# Altium PCB B-水泵-LCP037BK32ET8-48V-PCB-V1.2-20230321.PcbDoc
Units mm, origin at the board's own origin, x right, y up, seen from the top; angles counter-clockwise.
Board outline 91 x 40 mm, 2 copper layers (Top Layer, Bottom Layer), stack 1.6 mm thick; 108 components, 61 nets, 257 pads, 257 vias.
Unrouted connection lines stored in the file: 8.
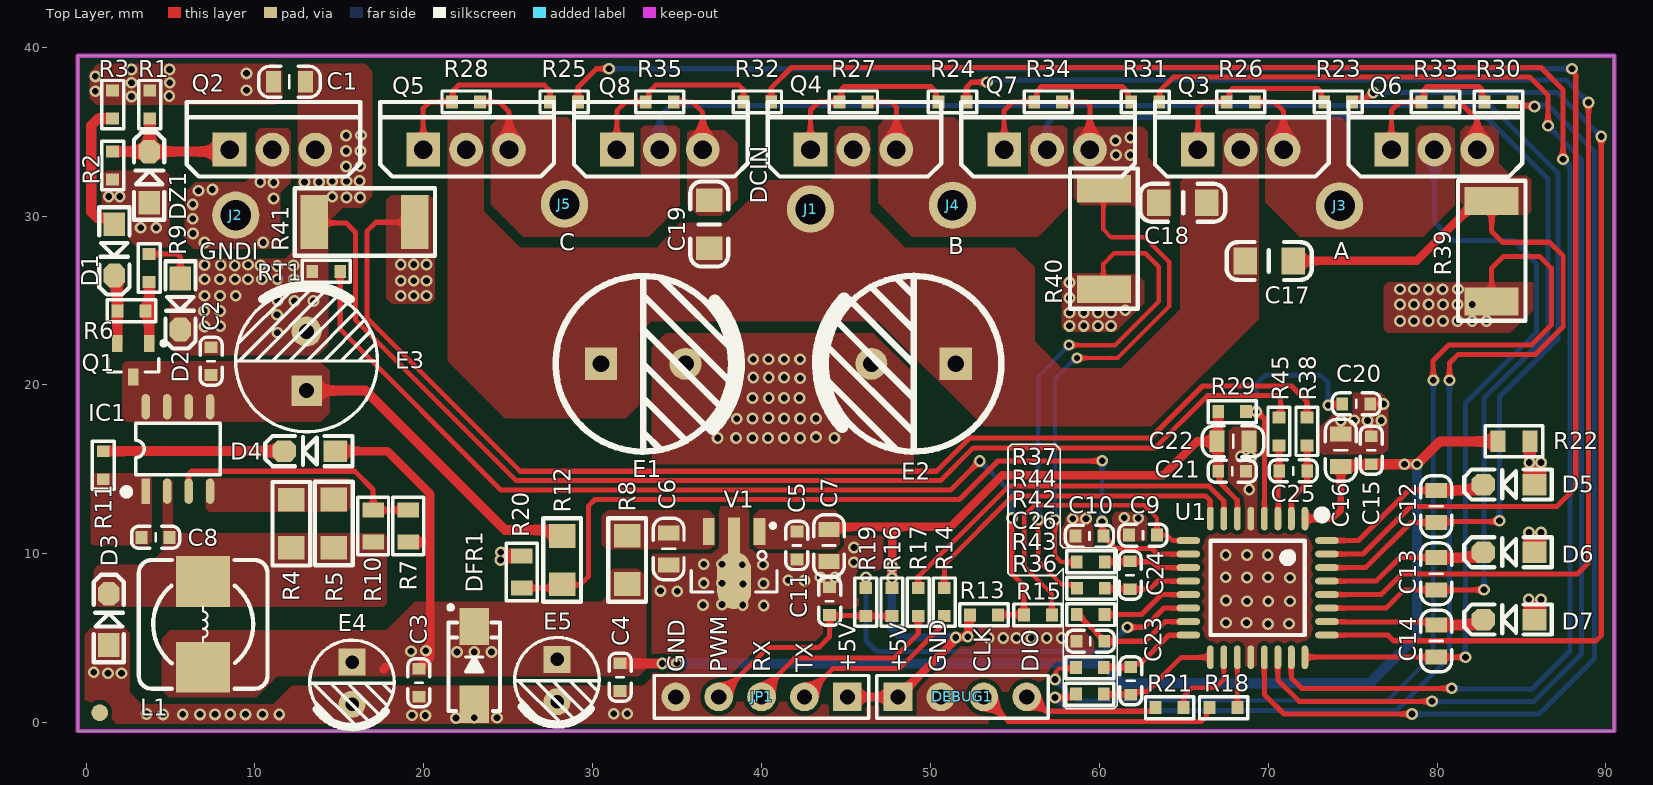
[diagram p0: Top Layer view]
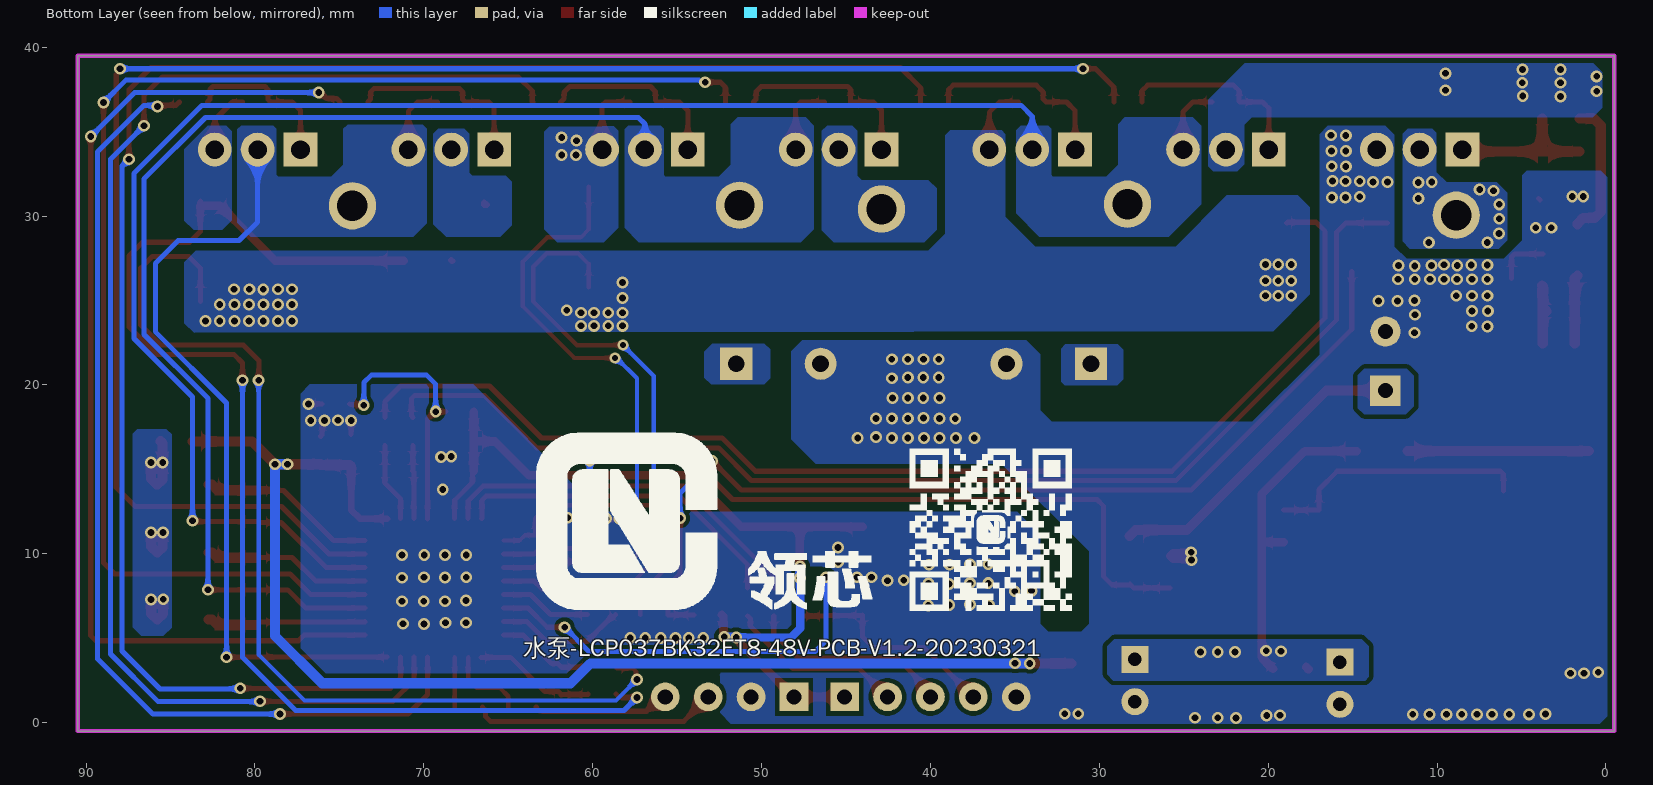
[diagram p1: Bottom Layer view, seen from below]

## Layer stack, top to bottom
Top Solder: solder mask 0.0102, Solder Resist, Dk 3.5
Top Layer: signal copper 0.0356
Dielectric1: core 1.529, FR-4, Dk 4.8
Bottom Layer: signal copper 0.0356
Bottom Solder: solder mask 0.0102, Solder Resist, Dk 3.5

## Board outline
-0.5,-0.5 -0.5,39.497 90.5,39.497 90.5,-0.5

## Design rules (kind name [scope] priority, off if disabled: settings)
Clearance Clearance_Layer [OnLayer('Keep-Out Layer')] p1: gap=0.3 ignorepadtopadclearanceinfootprint=FALSE
Clearance [All] p2: gap=0.254 ignorepadtopadclearanceinfootprint=FALSE
FabricationTestpoint [(IsPad And (OnTopLayer Or OnBottomLayer))] p1: side=3 testpointundercomponent=TRUE minsize=1.016 maxsize=2.54 preferedsize=1.524 minholesize=0 maxholesize=1.016 preferedholesize=0.813 testpointgrid=0.025 allowsidetop=TRUE allowsidebottom=TRUE usegrid=TRUE gridtolerance=0
PlaneConnect [All] p1: planeconnectstyle=Direct reliefexpansion=0.508 reliefentries=4 reliefconductorwidth=0.254 reliefairgap=0.254
PolygonConnect [All] p1: connectstyle=Direct reliefconductorwidth=0.254 reliefentries=4 polygonreliefangle="90 Angle" airgapwidth=0.254
RoutingVias [All] p1: holewidth=0.4 width=0.7 viastyle="Through Hole" minholewidth=0.35 minwidth=0.65 maxholewidth=0.711 maxwidth=1.27
SilkToSilkClearance [All] p1: silktosilkclearance=0.127
SilkToSolderMaskClearance SilkscreenOverComponentPads [IsPad] p1: minsilkscreentomaskgap=0.127 clearancetoexposedcopper=TRUE
SolderMaskExpansion [IsVia] p1: expansion=0.102 istentingtop=TRUE soldermaskfromhole=TRUE
Width [All] p1: maxlimit=5 minlimit=0.254 preferedwidth=0.3
26 further rules are at their usual default settings.

## Components (designator, comment, footprint, x,y, rotation, side; value= is the part's Value field where it differs from the comment)
C1 "105/100V" C0805 12.04,37.948 r0 top
C2 "104/100V" C0603 7.402,21.406 r90 top
C3 "104/50V" C0603 19.71,2.362 r270 top
C4 "104/50V" C0603 31.623,2.692 r270 top
C5 "104/50V" C0603 42.088,10.49 r270 top
C6 "106/50V" C0805 34.493,10.287 r270 top
C7 "106/50V" C0805 43.993,10.49 r270 top
C8 "105/50V" C0603 4.115,10.973 r180 top
C9 "104/50V" C0603 62.586,11.1 r180 top
C10 "104/50V" C0603 59.418,11.048 r180 top
C11 "101/50V" C0603 44.029,7.192 r90 top
C12 "106/50V" C0805 79.95,12.802 r270 top
C13 "106/50V" C0805 79.95,8.814 r270 top
C14 "106/50V" C0805 79.95,4.833 r270 top
C15 "104/50V" C0603 76.105,16.129 r90 top
C16 "106/50V" C0805 74.303,16.129 r90 top
C17 "104/100V1206" C1206 70.03,27.337 r0 top
C18 "104/100V1206" C1206 64.972,30.785 r180 top
C19 "104/100V1206" C1206 36.903,29.493 r90 top
C20 "104/50V" C0603 75.217,18.874 r0 top
C21 "104/50V" C0603 67.869,14.884 r0 top
C22 "106/50V" C0805 67.922,16.65 r0 top
C23 "101/50V" C0603 61.861,2.473 r90 top
C24 "101/50V" C0603 61.821,8.727 r270 top
C25 "101/50V" C0603 71.484,14.904 r180 top
C26 "105/50V" C0603 59.468,4.817 r180 top
D1 "1N4148" SOD-123 1.676,27.991 r270 top
D2 "1N4148" SOD-123 5.588,24.79 r270 top
D3 "ES1D" SOD-123 1.342,6.11 r90 top
D4 "1N4148" SOD-123 13.243,16.078 r180 top
D5 "1N4148" SOD-123 84.257,14.096 r180 top
D6 "1N4148" SOD-123 84.257,10.084 r180 top
D7 "1N4148" SOD-123 84.257,6.103 r180 top
DEBUG1 "PZ4-SHAOLU" PZ2.54-D-4P 51.89,1.524 r0 top
DFR1 "FR107" SMA 22.987,3.392 r90 top
DZ1 "BZT52C68" SOD-123 3.732,32.302 r90 top
E1 "220uF/100V" CE-5.0-10 33,21.25 r0 top locked
E2 "220uF/100V" CE-5.0-10 49,21.25 r180 top locked
E3 "47uF/100V" CE-3.5-8 13.056,21.412 r90 top
E4 "100uF/25V" CE-2.5-5 15.748,2.337 r270 top
E5 "220uF/25V" CE-2.5-5 27.889,2.489 r270 top
IC1 "KP35111SGA" SOP-8_150_50 5.436,16.205 r90 top
J1 "DCIN" HOLD-16AWG 42.899,30.41 r180 top
J2 "GNDI" HOLD-16AWG 8.865,30.049 r180 top
J3 "A" HOLD-16AWG 74.229,30.601 r180 top
J4 "B" HOLD-16AWG 51.308,30.636 r180 top
J5 "C" HOLD-16AWG 28.33,30.703 r180 top
JP1 "PZPM5" PZ2.54-D-5P 40,1.524 r180 top
L1 "82uH" L-CDRH74 6.934,5.817 r270 top
Q1 "5401" SOT23-3 2.794,21.46 r270 top
Q2 "SVG086R0NT" TO220 11.037,33.935 r0 top locked
Q3 "SVG086R0NT" TO220 68.374,33.935 r0 top locked
Q4 "SVG086R0NT" TO220 45.439,33.935 r0 top locked
Q5 "SVG086R0NT" TO220 22.504,33.935 r0 top locked
Q6 "SVG086R0NT" TO220 79.841,33.935 r0 top locked
Q7 "SVG086R0NT" TO220 56.906,33.935 r0 top locked
Q8 "SVG086R0NT" TO220 33.971,33.935 r0 top locked
R1 "10K" R0603 3.77,36.598 r270 top
R2 "51K" R0603 1.575,32.995 r270 top
R3 "10R" R0603 1.575,36.598 r270 top
R4 "0.8R/1206" R1206 12.156,11.8 r270 top
R5 "0.8R/1206" R1206 14.675,11.812 r270 top
R6 "10K" R0603 2.692,24.381 r0 top
R7 "36K/NC" R0805 19.084,11.633 r270 top
R8 "22R/1206" R1206 32.037,9.607 r90 top
R9 "5.1K" R0603 3.734,26.924 r270 top
R10 "5.1K/NC" R0805 16.993,11.653 r270 top
R11 "0R" R0603 1.016,15.24 r270 top
R12 "24K 1% 1206" R1206 28.194,9.602 r90 top
R13 "10K 1%" R0603 53.173,6.383 r180 top
R14 "1K" R0603 50.82,7.137 r90 top
R15 "10R 1%" R0603 56.363,6.375 r180 top
R16 "10K" R0603 47.722,7.137 r90 top
R17 "1K" R0603 49.279,7.137 r90 top
R18 "100R" R0603 67.361,0.889 r0 top
R19 "1K" R0603 46.172,7.137 r90 top
R20 "1K 1%" R0805 25.806,8.926 r270 top
R21 "100R" R0603 64.16,0.889 r0 top
R22 "5.1R" R0805 84.557,16.662 r0 top
R23 "51R" R0603 74.143,36.754 r180 top
R24 "51R" R0603 51.308,36.754 r180 top
R25 "51R" R0603 28.307,36.754 r180 top
R26 "100K" R0603 68.374,36.754 r180 top
R27 "100K" R0603 45.439,36.754 r180 top
R28 "100K" R0603 22.504,36.754 r180 top
R29 "10K" R0603 67.869,18.415 r180 top
R30 "51R" R0603 83.642,36.754 r180 top
R31 "51R" R0603 62.72,36.754 r180 top
R32 "51R" R0603 39.752,36.754 r180 top
R33 "100K" R0603 79.904,36.754 r180 top
R34 "100K" R0603 56.97,36.754 r180 top
R35 "100K" R0603 33.972,36.754 r180 top
R36 "68R 1%" R0603 59.44,1.686 r180 top
R37 "68R 1%" R0603 59.494,9.516 r180 top
R38 "68R 1%" R0603 72.298,17.247 r90 top
R39 "10mR/2512" R2512 83.236,27.889 r90 top
R40 "10mR/2512" R2512 60.269,28.616 r90 top
R41 "10mR/2512" R2512 16.459,29.642 r0 top
R42 "10K 1%" R0603 59.487,6.401 r0 top
R43 "68R 1%" R0603 59.44,3.255 r180 top
R44 "68R 1%" R0603 59.499,7.96 r180 top
R45 "68R 1%" R0603 70.638,17.247 r90 top
RT1 "100K/B=4250K" NTC-S-0603 14.223,26.721 r0 top
U1 "LCP037BK32E(X)T8" LNCP-LQFP32-7X7-0.8 69.374,7.977 r270 top
V1 "78L05" SOT89 38.372,9.868 r180 top
? "LOGO-TU" LOGO-TU 57.993,10.998 r180 bottom
? "LOGO-ZI" LOGO-ZI 47.132,8.651 r180 bottom
? "LOGO-MA" LOGO-MA 36.386,11.423 r180 bottom

## Footprints (in the part's own frame and the unit in brackets; to place one, negate y for a bottom-side part, rotate by r counter-clockwise, add the part's x,y. Pads: shape width x height; smd on the part's side, far side on the other; paste and mask are expansions set on the pad)
C0603 [mm] "0.5/2.1"
  rect 0.7x0.762 smd: 1(-0.827,0) 2(0.827,0)
  silkscreen extent -1.42,-0.65 1.42,0.65, body extent -0.8,-0.41 0.8,0.41, height 0.84
C0805 [mil] "贴片MLCC电容"
  rect 35x50 smd: 1(-37.4,0) 2(37.4,0)
  silkscreen extent -72,-36 72,36, body extent -39,-24 39,24, height 22
C1206 [mil] "贴片MLCC电容"
  rect 55x62 smd: 1(-55.12,0) 2(57.09,0)
  silkscreen extent -98,-44 100,44, body extent -63,-32 63,32, height 50
CE-2.5-5 [mm] "直插电解电容-脚距2.5mm直径5mm高度11mm"
  rect 1.6x1.6 hole 0.8: 1(-1.25,0)
  round 1.6 hole 0.8: 2(1.25,0)
  silkscreen extent -2.55,-2.5 2.6,2.5, body extent -2.5,-2.5 2.51,2.5, height 11.14
CE-3.5-8 [mm] "脚距3.5mm直径8mm高度11.5mm"
  rect 1.8x1.8 hole 0.9: 1(-1.75,0)
  round 1.8 hole 0.9: 2(1.75,0)
  silkscreen extent -4.2,-4.2 4.5,4.2, body extent -4,-4 4.01,4, height 11.64
CE-5.0-10 [mm] "脚距5mm直径10mm高度12.5mm"
  rect 1.9x1.9 hole 1: 1(-2.5,0)
  round 1.9 hole 1: 2(2.5,0)
  silkscreen extent -5.2,-5.21 5.64,5.2, body extent -5,-5 5.01,5, height 12.64
HOLD-16AWG [mm] "1.8mm"
  round 2.8 hole 1.8: 1(0,0)
L-CDRH74 [mm] "7.3*7.3*4.5mm贴片电感"
  rect 3x3.2 smd: 1(-2.54,0) 2(2.54,0)
  silkscreen extent -3.81,-3.81 3.81,3.81, body extent -3.65,-3.65 3.65,3.65, height 4.52
LNCP-LQFP32-7X7-0.8 [mm] "电机专用MCU-LCP037BK32X(E)T8"
  oval 1.4x0.4 smd: 1(-4.102,2.8) 2(-4.102,2) 3(-4.102,1.2) 4(-4.102,0.4) 5(-4.102,-0.4) 6(-4.102,-1.2) 7(-4.102,-2) 8(-4.102,-2.8) 17(4.102,-2.8) 18(4.102,-2) 19(4.102,-1.2) 20(4.102,-0.4) 21(4.102,0.4) 22(4.102,1.2) 23(4.102,2) 24(4.102,2.8)
  oval 0.4x1.4 smd: 9(-2.806,-4.102) 10(-2.006,-4.102) 11(-1.206,-4.102) 12(-0.406,-4.102) 13(0.394,-4.102) 14(1.194,-4.102) 15(1.994,-4.102) 16(2.794,-4.102) 25(2.794,4.102) 26(1.994,4.102) 27(1.194,4.102) 28(0.394,4.102) 29(-0.406,4.102) 30(-1.206,4.102) 31(-2.006,4.102) 32(-2.806,4.102)
  silkscreen extent -4.57,-2.79 2.79,4.06, body extent -4.51,-4.5 4.5,4.5, height 1.45
LOGO-MA [mm]
  silkscreen extent -4.83,-4.8 4.74,4.76
LOGO-TU [mm]
  silkscreen extent -5.36,-4.32 5.36,6.15
LOGO-ZI [mm]
  silkscreen extent -3.67,-1.95 3.67,1.48
NTC-S-0603 [mm] "0.5/2.1"
  rect 0.7x0.762 smd: 1(-0.827,0) 2(0.827,0)
  silkscreen extent -1.43,-0.65 1.43,0.65, body extent -0.8,-0.4 0.8,0.4, height 0.4
PZ2.54-D-4P [mm] "排针/直插/0.9MM孔"
  rect 1.7x1.7 hole 0.9: 1(-3.81,0)
  round 1.7 hole 0.9: 2(-1.27,0) 3(1.27,0) 4(3.81,0)
  silkscreen extent -5.08,-1.27 5.08,1.27, body extent -5.08,-1.27 5.08,1.27, height 2.54
PZ2.54-D-5P [mm] "排针/直插/0.9MM孔"
  rect 1.7x1.7 hole 0.9: 1(-5.08,0)
  round 1.7 hole 0.9: 2(-2.54,0) 3(0,0) 4(2.54,0) 5(5.08,0)
  silkscreen extent -6.35,-1.27 6.35,1.27, body extent -6.35,-1.27 6.35,1.27, height 2.54
R0603 [mm] "0.5/2.1"
  rect 0.7x0.762 smd: 1(-0.827,0) 2(0.827,0)
  silkscreen extent -1.43,-0.65 1.43,0.65, body extent -0.8,-0.4 0.8,0.4, height 0.4
R0805 [mil] "1/8W贴片电阻"
  rect 35x50 smd: 1(-37.4,0) 2(37.4,0)
  silkscreen extent -67,-36 67,36, body extent -39,-25 39,25, height 20
R1206 [mil] "1/4W贴片电阻"
  rect 55x62 smd: 1(-55.12,0) 2(57.09,0)
  silkscreen extent -96,-44 98,44, body extent -63,-31 63,32, height 22
R2512 [mm] "1W贴片电阻"
  rect 1.65x3.2 smd: 1(-2.95,0) 2(3,0)
  silkscreen extent -4.1,-2 4.2,2, body extent -3.2,-1.6 3.2,1.6, height 0.55
SMA [mm] "4.5x2.6*2.2mm"
  rect 2.2x1.75 smd: 1(-2.3,0) 2(2.3,0)
  silkscreen extent -2.7,-1.52 3.56,1.52, body extent -2.55,-1.3 2.55,1.3, height 2.15
SOD-123 [mil] "2.7x1.6X1.1mm"
  rect 55x50 smd: 1(-59.5,0)
  oct 55x50 smd: 2(59.5,0)
  silkscreen extent -100,-35 104,35, body extent -73,-32 73,31, height 50
SOP-8_150_50 [mm] "无焊盘"
  rect 1.5x0.5 smd: 1(-2.5,1.905)
  oval 1.5x0.5 smd: 2(-2.5,0.635) 3(-2.5,-0.635) 4(-2.5,-1.905) 5(2.5,-1.905) 6(2.5,-0.635) 7(2.5,0.635) 8(2.5,1.905)
  silkscreen extent -2.69,-2.5 1.52,3.2, body extent -3,-2.5 3,2.5
SOT23-3 [mm]
  rect 1x0.6 smd: 1(-1,0.95) 2(-1,-0.95) 3(1,0)
  silkscreen extent -1.12,-1.5 0.7,1.93, body extent -1.2,-1.5 1.2,1.5, height 1.05
SOT89 [mm] "4.6x4.3x1.6mm(长宽高)"
  rect 0.7x1.6 smd: 1(-1.5,-1.448) 3(1.5,-1.448)
  oval 2x3.4 smd: 2(0,1.448)
  rect 0.7x2.4 smd: 2(0,-1.071)
  silkscreen extent -2.54,-1.92 2.54,2.13, body extent -2.27,-1.77 2.33,2.53, height 1.6
TO220 [mm]
  rect 2x2 hole 1.1: 1(-2.54,0)
  round 2 hole 1.1: 2(0,0) 3(2.54,0)
  silkscreen extent -5.08,-1.6 5.21,2.82, body extent -5.15,-1.53 5.15,2.9, height 18.5

## Part data
C1 C6 C7 C12 C13 C14 C16 C22: library part A_CAP_8, "0805", BOM名称=无极性贴片电容
C2 C3 C4 C5 C8 C9 C10 C11 C15 C20 C21 C23 C24 C25 C26: library part A_CAP_6, "0603", BOM名称=无极性贴片电容
C17 C18 C19: library part A_CAP_12, "1206/1808", BOM名称=无极性贴片电容
D1 D2 D3 D4 D5 D6 D7: library part DIO, "二极管/高效率/通用"
DEBUG1: "烧录口", BOM名称=4P连接器
DFR1: library part DIO_FR(E)D, "快/超快恢复二极管", BOM名称=快恢复二极管
DZ1: library part DIO_ZENER, "稳压管"
E1 E2 E3 E4 E5: library part A_CAP_CE_DIP, "直插电解电容"
IC1: library part IC_DY_KP35111, "功率电子开关/BUCK_DC-DC"
J1 J2 J3 J4 J5: library part CON_DIP, "直插孔"
JP1: "排针排母", BOM名称=5P连接器
L1: library part INDUCTOR, "贴片电感", BOM名称=小功率贴片电感
Q1: library part D_BJT_N, "PNP三极管", Parameter 1=9015, Parameter 2=5401, Parameter 3=S8550
Q2 Q3 Q4 Q5 Q6 Q7 Q8: library part D_MOS_N-2D/, "N沟道", BOM名称=N沟道场效应管
R1 R2 R3 R6 R9 R11 R13 R14 R15 R16 R17 R18 R19 R21 R23 R24 R25 R26 R27 R28 R29 R30 R31 R32 R33 R34 R35 R36 R37 R38 R42 R43 R44 R45: library part A_RES_6, "0603", BOM名称=贴片电阻
R4 R5 R8 R12: library part A_RES_12, "1206", BOM名称=贴片电阻
R7 R10 R20 R22: library part A_RES_8, "0805", BOM名称=贴片电阻
R39 R40 R41: library part A_RES_25, "2512", BOM名称=贴片电阻
RT1: library part A_RES_NTC_SMD, "热敏电阻"
U1: library part MCU_电机_32位_037_B1, "037合封BK32E(X)T8", PCB DECAL=LQFP-32
V1: library part LDO_2D/, "BUCK_DC-DC", BOM名称=线性稳压芯片

## Free pads (board coordinates)
  round 1 smd: 0(0.804,0.59)

## Via types
v1: diameter 0.7, hole 0.4, Top Layer to Bottom Layer, tented both sides, 255 vias
v2: diameter 0.65, hole 0.35, Top Layer to Bottom Layer, tented both sides, 2 vias

## Nets (pads, with @x,y where several pads share a name; then routed paths per layer and width w, separated by ;. In a path a pad name is that pad's centre, name@x,y a point inside that pad or via, vN(x,y) a via of type N, cw(c..) or ccw(c..) an arc to the next point about the centre after c; other vN are vias at no path point)
+5V: C5.1 C7.1 C21.1 C22.1 DEBUG1.1 JP1.1 R13.2 R16.2 R29.2 U1.6 V1.1 | length 53.6
  Top Layer w0.3: C21.1@67.099,14.889 67.118,14.869 67.118,14.229 68.174,13.174 U1.6
  Top Layer w0.5: C7.1@43.993,11.593 47.727,11.593 ; JP1.1@45.314,1.758 JP1.1 DEBUG1.1 51.459,4.903 51.459,5.003 v1(51.498,5.042) 51.515,5.058 52.185,5.058 52.253,5.126 52.253,6.29 R13.2 ; v1(47.722,8.564) 47.724,8.567 47.724,9.243 v1(47.727,9.246) 47.727,11.593 ; C22.1 65.786,16.65 63.792,14.656 54.256,14.656 51.193,11.593 47.727,11.593 ; C21.1 R29.2
  Bottom Layer w0.5: v1(47.727,9.246) 47.724,9.243 47.724,8.567 v1(47.722,8.564) 47.722,5.576 48.256,5.042 v1(51.498,5.042) 51.521,5.065 52.192,5.065 v1(52.215,5.088)
+12V: C3.1 C4.1 C15.1 C16.1 D4.1 DFR1.2 E4.1 E5.1 L1.2 R7.2 R8.1 R22.1 U1.1 | length 94.4
  Top Layer w0.4: U1.1 73.788,12.079 74.303,12.593 C16.1
  Top Layer w0.5: D4.1 17.835,16.078 20.391,13.523 20.391,10.733 ; 17.602,3.164 17.633,3.164 17.733,3.264 17.733,3.295 17.752,3.314 ; R7.2 20.341,10.683 20.391,10.733 ; C3.1 19.741,3.189 19.841,3.289 19.841,3.32 20.391,3.869 20.391,10.733
  Top Layer w0.6: C4.1@31.658,3.504 v1@34.981,3.504 ; C16.1 74.376,15.252 76.104,15.252 C15.1@76.106,15.254 ; C15.1 v1(78.065,15.302) v1(78.817,15.302) 80.165,16.65 R22.1@83.697,16.65
  Bottom Layer w0.6: v1(34.114,3.504) 34.119,3.509 34.981,3.509 v1(34.986,3.514) 34.995,3.504 60.14,3.504 61.31,2.334 76.019,2.334 78.817,5.132 v1(78.817,15.302) v1(78.065,15.302)
  other v1: 21.971,4.186 22.987,4.186 24.003,4.186 19.24,4.232 20.12,4.26
AH: R23.1 U1.25 | length 62.1
  Top Layer w0.3: U1.25 77.085,5.183 77.42,4.848 89.423,4.848 89.723,5.148 v1(89.723,34.702) ; R23.1 74.97,36.76 75.17,36.96 75.77,36.96 76.117,37.308 v1(76.225,37.308)
  Bottom Layer w0.3: v1(76.225,37.308) 87.117,37.308 v1(89.723,34.702)
AL: R30.1 U1.21 | length 59.7
  Top Layer w0.3: U1.21 69.774,1.671 70.937,0.508 v1(78.519,0.508) ; R30.1 84.669,36.554 R30.1@84.669,36.559 ; R30.1@84.669,36.559 85.693,36.559 v1(85.769,36.483)
  Bottom Layer w0.3: v1(78.519,0.508) 86.045,0.508 89.319,3.782 89.319,33.803 86.568,36.554 85.841,36.554 v1(85.769,36.483)
BH: R24.1 U1.28 | length 82
  Top Layer w0.3: R24.1 52.135,37.621 52.436,37.922 v1(53.34,37.922) ; U1.28 76.696,7.583 77.927,8.814 88.317,8.814 88.969,9.466 v1(88.968,36.721)
  Bottom Layer w0.3: v1(53.34,37.922) 53.417,37.999 53.652,37.999 53.716,38.062 87.625,38.062 v1@88.966,36.721
BL: R31.1 U1.22 | length 79.4
  Top Layer w0.3: R31.1 63.578,36.785 63.578,37.409 64.403,38.235 85.481,38.235 86.568,37.148 v1(86.568,35.348) ; U1.22 70.574,2.524 71.836,1.262 v1(79.695,1.262)
  Bottom Layer w0.3: v1(79.695,1.262) 79.715,1.242 85.729,1.242 88.552,4.066 88.552,33.364 v1(86.568,35.348)
CH: R25.1 U1.31 | length 101.4
  Top Layer w0.3: R25.1 29.134,37.632 30.222,38.72 v1(30.966,38.72) ; U1.31 75.608,9.983 78.427,12.802 87.094,12.802 88.214,13.921 88.214,38.391 87.994,38.612 v1(87.994,38.72)
  Bottom Layer w0.3: v1@30.984,38.702 31.003,38.72 v1(87.994,38.72)
CL: R32.1 U1.23 | length 101.1
  Top Layer w0.3: R32.1 40.579,37.599 41.769,38.789 86.151,38.789 87.457,37.484 v1(87.457,33.364) ; U1.23 71.374,2.644 71.986,2.032 v1(80.874,2.032)
  Bottom Layer w0.3: v1(80.874,2.032) 80.909,1.996 85.626,1.996 87.871,4.242 87.871,32.949 v1(87.457,33.364)
DC12V: C6.1 R8.2 V1.3
DCIN: C1.1 C17.1 C18.1 C19.1 E1.1 E2.1 J1.1 Q3.2 Q4.2 Q5.2 R1.1 R3.1 | length 2.1
  Top Layer w0.381: J1.1@43.658,29.704 43.658,30.467 43.658,30.216 J1.1@43.658,30.682 ; J1.1@43.899,30.523 J1.1@43.899,30.739 ; C18.1@66.286,30.657 66.422,30.793 C18.1@66.422,30.657 ; C17.1@68.324,27.337 C17.1@68.374,27.387
  other v1: 2.692,37.075 4.928,37.109 0.551,37.389 9.497,37.448 2.692,37.889 4.955,37.889 0.551,38.27 9.497,38.448 2.693,38.679 4.936,38.679
GND: C1.2 C2.2 C3.2 C4.2 C5.2 C6.2 C7.2 C9.2 C10.2 C11.2 C15.2 C16.2 C20.2 C21.2 C22.2 C26.2 D2.2 D3.1 DEBUG1.2 DFR1.1 DZ1.1 E1.2 E2.2 E3.2 E4.2 E5.2 JP1.5 Q2.3 R2.2 R20.1 R41.1 R45.2 RT1.1 U1.5 U1.20 V1.2 | length 76.3
  Top Layer w0.3: DZ1.1@3.899,30.962 DZ1.1@3.982,31.044 ; R41.1@12.949,29.589 15.406,29.589 15.944,29.052 15.944,23.85 25.468,14.326 50.592,14.326 52.538,16.271 63.32,16.271 66.409,19.36 70.559,19.36 70.738,19.181 70.738,18.173 R45.2
  Top Layer w0.305: 58.795,12.003 59.141,12.003 v1(59.216,12.079) ; C16.2 v1(74.303,17.889) ; v1(75.877,17.889) 75.877,17.782 76.021,17.638 76.021,17.041 C15.2 ; C20.2 v1(76.836,18.874)
  Top Layer w0.5: v1(24.562,10.084) 24.6,10.046 25.636,10.046 R20.1 25.62,9.689 v1@24.6,9.689
  other v1: 21.907,0.277 22.987,0.287 24.337,0.287 20.091,0.415 19.301,0.439 4.551,0.491 5.725,0.491 6.752,0.491 7.63,0.491 8.534,0.491 9.437,0.491 10.44,0.491 11.441,0.491 3.585,0.51 31.252,0.521 32.041,0.521 1.294,2.92 2.103,2.92 0.453,2.983 53.449,5.004 54.313,5.004 55.099,5.016 55.966,5.016 56.888,5.016 57.778,5.004 69.995,5.842 71.23,5.853 67.509,5.911 68.721,5.911 40.132,6.937 36.533,6.965 38.887,6.96 37.65,6.99 68.748,7.183 70.001,7.183 71.287,7.183 67.509,7.226 35.009,7.778 34.018,7.803 38.896,8.21 40.116,8.236 36.577,8.26 37.65,8.26 42.545,8.407 41.578,8.435 68.748,8.592 71.287,8.583 43.485,8.611 44.348,8.611 67.49,8.61 69.995,8.61 38.862,9.347 40.081,9.354 36.577,9.378 37.65,9.378 45.466,9.5 24.536,9.627 71.287,9.924 67.49,9.929 68.748,9.929 69.974,9.929 45.476,10.37 58.425,12.069 62.301,12.108 61.48,12.129 68.884,13.801 68.974,15.736 68.374,15.763 37.398,16.852 38.495,16.852 39.465,16.852 40.379,16.852 41.337,16.852 42.285,16.852 44.31,16.852 43.218,16.905 76.696,17.889 75.082,17.907 38.529,17.99 41.337,18.002 42.285,18.002 43.218,18.002 39.465,18.01 40.404,18.034 39.465,19.218 40.426,19.218 41.337,19.218 42.254,19.218 42.285,20.388 39.505,20.436 40.426,20.436 41.337,20.436 39.505,21.519 40.411,21.519 41.337,21.519 42.285,21.519 11.328,23.089 7.021,23.452 7.951,23.473 11.303,24.155 6.992,24.381 7.936,24.381 12.344,24.968 13.462,24.968 11.328,24.994 7.021,25.274 7.936,25.274 8.865,25.274 7.021,26.25 7.936,26.25 8.813,26.25 9.586,26.25 10.416,26.25 11.316,26.25 12.314,26.25 8.807,27.069 10.33,27.069 11.316,27.047 12.276,27.069 7.021,27.102 7.97,27.102 9.586,27.114 3.232,29.303 4.151,29.303 15.42,31.096 16.229,31.093 14.577,31.135 1.341,31.148 1.994,31.148 12.941,32.013 13.786,32.008 14.577,32.058 15.42,32.058 16.187,32.075 15.4,32.935 16.231,32.944 15.4,33.852 16.244,33.852 15.4,34.774 16.275,34.786
GNDI: J2.1 Q2.2
  other v1: 7.021,28.434 10.485,28.434 6.332,28.964 6.321,29.841 6.321,30.691 11.107,31.044 6.65,31.5 7.479,31.568 11.107,31.986 10.315,32.008
IA: C17.2 Q6.3 R33.1 R36.2 R39.2 | length 79.4
  Top Layer w0.3: v1(57.381,1.486) 58.413,1.486 R36.2 ; R33.1 81.332,36.754 82.365,35.721 82.365,33.951 Q6.3 ; v1(80.735,20.269) 80.735,21.293 81.251,21.809 85.823,21.809 87.457,23.442 87.457,27.643 86.652,28.447 83.873,28.447 83.236,29.085 83.236,30.619 R39.2
  Top Layer w0.5: C17.2@71.174,27.337 78.79,27.337 82.071,30.619 R39.2@83.236,30.619
  Bottom Layer w0.3: v1(57.381,1.486) 58.151,0.717 77.586,0.717 80.735,3.866 v1(80.735,20.269)
IB: C18.2 Q7.3 R34.1 R37.2 R40.2 | length 34.7
  Top Layer w0.254: v1(57.381,12.018) 57.381,9.883 57.748,9.516 R37.2 ; v2(58.674,21.59) 61.085,21.59 64.134,24.639 64.134,27.291 62.69,28.735 60.7,28.735 60.239,29.195 R40.2@60.239,31.735
  Top Layer w0.3: R34.1 59.23,36.754 59.446,36.537 Q7.3
  Bottom Layer w0.254: v1(57.381,12.018) 57.381,20.388 58.583,21.59 v2(58.674,21.59)
  other v1: 60.984,33.608 61.839,33.608 60.96,34.464 61.839,34.642
IN: C2.1 E3.1 IC1.5 IC1.6 IC1.7 IC1.8 Q1.3 R12.2 | length 17.9
  Top Layer w0.6: E3.1@13.868,19.662 16.549,19.662 24.807,11.405 27.841,11.405 R12.2
ISENCE: C19.2 Q8.3 R35.1 R38.2 R39.1 R40.1 R41.2 R43.2 R44.2 | length 165.4
  Top Layer w0.254: v1(56.383,12.018) 56.383,9.562 57.762,8.183 58.449,8.183 R44.2 ; v1(57.381,2.557) 57.434,2.61 57.434,3.03 57.61,3.207 58.565,3.207 R43.2 ; v2(58.204,22.363) 58.215,22.352 60.93,22.352 63.52,24.943 63.52,26.997 62.723,27.794 60.867,27.794 60.239,27.167 R40.1@60.239,25.785
  Top Layer w0.3: R41.2@18.898,29.589 18.859,29.629 17.162,29.629 16.626,29.093 16.626,23.97 25.712,14.884 50.365,14.884 52.333,16.852 63.034,16.852 66.11,19.929 71.385,19.929 72.298,19.016 R38.2 ; R35.1 35.899,36.754 36.511,36.141 Q8.3 ; v1(79.781,20.269) 79.769,20.281 79.769,21.44 80.692,22.363 85.584,22.363 86.766,23.544 86.766,26.908 86.074,27.6 83.915,27.6 83.236,26.92 R39.1
  Bottom Layer w0.254: v1(56.383,12.018) 56.383,20.524 58.204,22.346 v2(58.204,22.363) ; v1(57.381,2.557) 58.624,1.315 77.069,1.315 79.781,4.027 v1(79.781,20.269)
  other v1: 58.239,23.495 59.074,23.495 59.92,23.495 60.7,23.495 77.8,23.789 78.628,23.789 79.502,23.789 80.353,23.789 81.214,23.789 82.087,23.789 82.927,23.789 58.239,24.275 59.074,24.275 59.92,24.275 60.7,24.275 61.54,24.415 77.8,24.759 78.628,24.759 79.502,24.759 80.353,24.759 82.087,24.759 81.214,24.766 58.239,25.146 18.634,25.274 19.406,25.274 20.162,25.274 77.8,25.666 78.628,25.666 79.504,25.656 80.331,25.666 81.236,25.666 58.239,26.069 18.634,26.162 19.406,26.162 20.162,26.162 18.634,27.136 19.406,27.136 20.162,27.136
MOSTEMP: C9.1 R15.1 U1.9 | length 18
  Top Layer w0.254: R15.1 57.19,7.617 55.556,9.25 55.556,12.267 56.167,12.877 62.643,12.877 63.413,12.108 C9.1 64.008,11.1 64.325,10.783 U1.9
MOTOR_A: C14.2 J3.1 Q3.3 Q6.2 R26.1 U1.24 | length 50.1
  Top Layer w0.3: R26.1 70.359,36.754 70.914,36.199 Q3.3 ; U1.24 72.182,3.883 C14.2 79.954,3.879 81.675,3.879 v1(81.679,3.875)
  Bottom Layer w0.3: Q6.2 79.841,31.801 79.841,29.647 80.938,28.55 84.543,28.55 85.899,27.193 85.899,23.151 81.679,18.931 v1(81.679,3.875)
MOTOR_B: C13.2 J4.1 Q4.3 Q7.2 R27.1 U1.27 | length 73.9
  Top Layer w0.3: R27.1 47.685,36.754 47.979,36.46 Q4.3 ; J4.1@51.308,30.924 J4.1 J4.1@51.846,31.174 ; U1.27 76.984,6.783 78.065,7.864 C13.2 v1(82.786,7.864)
  Bottom Layer w0.3: Q7.2 56.906,35.45 57.297,35.84 82.931,35.84 86.568,32.203 86.568,22.985 82.786,19.203 v1(82.786,7.864)
MOTOR_C: C12.2 J5.1 Q5.3 Q8.2 R28.1 U1.30 | length 95.3
  Top Layer w0.3: R28.1 24.46,36.754 25.044,36.17 Q5.3 ; J5.1 J5.1@28.761,31.135 ; U1.30 75.785,9.183 78.454,11.852 79.769,11.852 79.819,11.901 83.647,11.901 v1(83.697,11.951)
  Bottom Layer w0.3: Q8.2 33.971,35.896 34.63,36.554 83.135,36.554 87.16,32.529 87.16,22.745 83.697,19.283 v1(83.697,11.951)
NetC8_1: C8.1 D3.2 IC1.2 L1.1 R4.2 R5.2 R10.2
NetC8_2: C8.2 IC1.1 R11.2
NetC11_1: C11.1 JP1.4 R16.1 R19.1 | length 13
  Top Layer w0.3: JP1.4 40.372,4.436 43.382,4.436 44.029,5.084 C11.1 44.056,6.338 46.145,6.338 R19.1 R16.1
NetC12_1: C12.1 D5.2 U1.32 | length 10.6
  Top Layer w0.3: U1.32 75.344,10.783 78.313,13.752 C12.1
  Top Layer w0.6: C12.1 82.196,13.752 82.541,14.096 D5.2
NetC13_1: C13.1 D6.2 U1.29 | length 10
  Top Layer w0.3: U1.29 76.4,8.383 77.8,9.783 79.931,9.783 C13.1
  Top Layer w0.6: C13.1 82.221,9.764 82.541,10.084 D6.2
NetC14_1: C14.1 D7.2 U1.26 | length 9.5
  Top Layer w0.3: U1.26 73.495,5.964 79.769,5.964 C14.1
  Top Layer w0.6: C14.1 82.221,5.783 82.541,6.103 D7.2
NetC26_1: C26.1 R42.1 U1.15 | length 7.8
  Top Layer w0.3: R42.1 58.66,6.37 58.86,6.17 58.974,6.17 60.095,5.048 60.295,4.848 C26.1 62.736,4.817 63.901,5.983 U1.15
NetD1_1: D1.1 R3.2 | length 8.3
  Top Layer w0.6: R3.2 0.718,35.771 0.308,35.361 0.308,30.243 0.659,29.891 1.341,29.891 1.676,29.556 D1.1
NetD1_2: D1.2 Q1.2 R6.1 | length 4.1
  Top Layer w0.6: D1.2 1.844,26.312 Q1.2
NetD2_1: D2.1 R9.1 | length 3.2
  Top Layer w0.3: R9.1 5.412,27.751 5.588,27.575 D2.1
NetD4_2: D4.2 R11.1 | length 10.7
  Top Layer w0.6: R11.1@1.016,16.078 D4.2
NetD5_1: D5.1 D6.1 D7.1 R22.2 | length 9.6
  Top Layer w0.6: v1(85.427,7.305) 85.446,7.286 85.446,6.426 D7.1 85.803,6.103 86.138,6.438 86.138,7.271 v1(86.157,7.29) ; v1(85.446,11.251) 85.465,11.232 85.465,10.388 D6.1 85.803,10.084 86.138,10.419 86.138,11.233 v1(86.157,11.252) ; R22.2@85.583,16.662 85.465,16.544 v1(85.465,15.398) 85.484,15.379 85.484,14.381 D5.1 85.816,14.096 86.151,14.431 v1@86.151,15.371
  other v1: 86.151,15.398
NetDEBUG1_3: DEBUG1.3 R18.1 | length 14.5
  Top Layer w0.3: DEBUG1.3 54.605,0.079 66.063,0.079 66.336,0.353 66.336,0.717 R18.1@66.534,0.914
NetDEBUG1_4: DEBUG1.4 R21.1 | length 8.1
  Top Layer w0.3: DEBUG1.4 55.966,1.524 56.816,0.674 62.968,0.674 62.978,0.683 63.144,0.683 63.344,0.883 R21.1@63.344,0.914
NetDZ1_2: DZ1.2 Q2.1 R1.2 R2.1 | length 8.9
  Top Layer w0.6: R2.1@1.575,33.814 DZ1.2 8.376,33.814 Q2.1 ; DZ1.2@3.77,33.852 R1.2
NetIC1_3: IC1.3 R7.1 R10.1 | length 15.7
  Top Layer w0.3: IC1.3 6.071,14.709 6.246,14.884 15.909,14.884 16.993,13.801 R10.1 ; R10.1@17.012,12.583 R7.1
NetIC1_4: IC1.4 R4.1 R5.1
NetJP1_2: JP1.2 R14.1 | length 10.5
  Top Layer w0.3: JP1.2 44.212,3.196 48.151,3.196 50.659,5.704 50.659,6.149 R14.1
NetJP1_3: JP1.3 R17.1 | length 12.1
  Top Layer w0.3: JP1.3 40,1.855 41.959,3.815 47.827,3.815 49.279,5.267 R17.1
NetQ1_1: Q1.1 R6.2 R9.2 | length 3.6
  Top Layer w0.6: R6.2@3.519,24.35 R6.2 3.569,24.431 R6.2@3.569,24.462 ; Q1.1 3.744,25.854 R9.2@3.784,25.894
NetQ3_1: Q3.1 R23.2 R26.2 | length 11.3
  Top Layer w0.3: Q3.1 65.834,36.431 66.157,36.754 R26.2 67.705,36.912 67.705,37.363 67.881,37.539 72.957,37.539 73.145,37.351 73.145,36.924 R23.2
NetQ4_1: Q4.1 R24.2 R27.2 | length 11.5
  Top Layer w0.3: Q4.1 42.899,36.275 43.379,36.754 R27.2 ; R27.2@44.727,36.754 44.727,37.493 44.903,37.668 50.02,37.668 50.324,37.364 50.324,36.911 R24.2
NetQ5_1: Q5.1 R25.2 R28.2 | length 11.7
  Top Layer w0.3: Q5.1 19.964,36.38 20.338,36.754 R28.2 21.718,36.796 21.718,37.409 22.058,37.749 27.135,37.749 27.474,37.409 27.474,36.759 R25.2
NetQ6_1: Q6.1 R30.2 R33.2 | length 9.5
  Top Layer w0.3: Q6.1 77.301,36.255 77.8,36.754 R33.2 79.236,36.912 79.236,37.493 79.411,37.668 82.482,37.668 82.657,37.493 82.657,36.912 R30.2
NetQ7_1: Q7.1 R31.2 R34.2 | length 11.4
  Top Layer w0.3: Q7.1 54.366,36.248 54.872,36.754 R34.2 ; R34.2@56.121,36.701 56.289,36.869 56.289,37.376 56.581,37.668 61.351,37.668 61.695,37.324 61.695,36.951 R31.2
NetQ8_1: Q8.1 R32.2 R35.2 | length 11.5
  Top Layer w0.3: Q8.1 31.431,36.237 31.948,36.754 R35.2 33.322,36.932 33.322,37.344 33.727,37.749 38.651,37.749 38.925,37.475 R32.2
NetR13_1: R13.1 R15.2 RT1.2 | length 57.7
  Top Layer w0.3: RT1.2 15.05,23.29 24.573,13.767 51.193,13.767 v1(52.919,15.494) ; R13.1 55.528,6.383 R15.2@55.528,6.414 ; v1(54.825,12.108) 54.825,8.812 55.536,8.102 R15.2
  Bottom Layer w0.3: v1(52.919,15.494) 54.825,13.588 v1(54.825,12.108)
NetR42_2: R42.2 U1.13 | length 5.4
  Top Layer w0.3: R42.2 62.496,6.401 63.678,7.583 U1.13
NRST: C20.1 R29.1 U1.4 | length 15.7
  Top Layer w0.3: R29.1 v1(69.296,18.415) 69.36,18.415 69.774,18.001 U1.4 U1.4@69.774,12.069 ; v1(73.553,18.796) 73.592,18.835 74.351,18.835 C20.1
  Bottom Layer w0.3: v1(69.296,18.415) 69.296,20.045 69.829,20.578 73.109,20.578 73.553,20.135 v1(73.553,18.796)
OPA0N: C23.2 R43.1 U1.16 | length 5.8
  Top Layer w0.3: R43.1 60.289,3.278 61.839,3.278 C23.2 62.054,3.492 62.437,3.492 64.127,5.183 U1.16
OPA0P: C23.1 R36.1 U1.17 | length 7.3
  Top Layer w0.3: R36.1 60.287,1.666 61.841,1.666 C23.1 ; C23.1@61.861,1.673 62.034,1.846 62.836,1.846 64.856,3.866 U1.17@66.62,3.866
OPA1N: C25.2 R45.1 U1.3 | length 4.4
  Top Layer w0.3: U1.3 70.593,12.098 70.593,14.84 C25.2 70.648,14.914 70.648,16.41 R45.1
OPA1P: C25.1 R38.1 U1.2 | length 4.7
  Top Layer w0.3: U1.2 71.374,13.247 72.311,14.184 C25.1 72.305,14.911 72.305,16.413 R38.1
OPA2N: C24.2 R44.1 U1.12 | length 5.2
  Top Layer w0.3: R44.1 60.356,7.93 61.791,7.93 C24.2 62.988,7.9 63.471,8.383 U1.12
OPA2P: C24.1 R37.1 U1.11 | length 5.1
  Top Layer w0.3: R37.1 60.339,9.535 61.802,9.535 C24.1 ; C24.1@61.822,9.527 63.119,9.527 63.465,9.181 65.27,9.181 U1.11
PWM: R19.2 U1.14 | length 24.8
  Top Layer w0.3: R19.2 46.178,7.97 46.178,8.607 v1(46.184,8.613) ; v1(61.661,5.647) 62.689,5.647 63.826,6.783 U1.14
  Bottom Layer w0.3: v1(46.184,8.613) 46.184,4.855 46.826,4.213 60.228,4.213 v1(61.661,5.647)
SWCLK: R18.2 U1.19 | length 2.9
  Top Layer w0.254: R18.2@68.174,0.928 U1.19
SWDIO: R21.2 U1.18 | length 4.8
  Top Layer w0.254: R21.2@64.998,0.914 64.998,1.564 65.49,2.057 66.873,2.057 67.374,2.557 U1.18
UART1_RX: R17.2 U1.7 | length 22.4
  Top Layer w0.3: R17.2 49.279,8.643 54.638,14.002 66.499,14.002 67.374,13.127 U1.7
UART1_TX: R14.2 U1.8 | length 20
  Top Layer w0.3: R14.2 50.82,9.353 54.881,13.413 66.304,13.413 66.557,13.16 66.557,12.095 U1.8
VDECT: C10.1 R12.1 R20.2 U1.10 | length 49.9
  Top Layer w0.3: R20.2 27.968,7.976 R12.1 28.237,8.159 29.256,8.159 29.76,8.664 29.76,12.838 30.135,13.212 51.724,13.212 54.006,15.494 60.163,15.494 v1(60.179,15.51) ; v1(60.154,11.901) 60.199,11.856 C10.1@60.199,11.063 ; C10.1 60.245,11.017 60.445,10.817 60.476,10.817 60.978,10.315 63.114,10.315 63.446,9.983 U1.10
  Bottom Layer w0.3: v1(60.154,11.901) 60.166,11.914 60.166,15.497 v1(60.179,15.51)

## Polygon pours and split planes (outlines as drawn)
GND on Top Layer "NONET_L-01_P-001" (solid, remove dead copper, pour order 92): 12.531,38.611 12.892,39.004 16.529,39.004 16.959,38.574 16.959,31.161 16.299,30.501 15.194,30.501 14.334,29.642 14.334,22.339 13.757,21.762 5.437,21.762 4.942,22.257 4.942,26.22 0.925,30.237 0.925,32.413 1.187,32.675 4.688,32.675 4.942,32.421 4.942,28.221 5.698,27.465 11.806,27.465 12.531,28.19
GND on Top Layer "NONET_L-01_P-001" (solid, remove dead copper, pour order 91): 33.008,2.178 33.491,2.661 33.491,9.537 33.491,18.525 33.491,22.23 34.328,23.066 46.616,23.066 49,20.683 49,15.321 50.319,14.002 63.621,14.002 67.142,17.523 69.574,17.523 70.074,17.024 72.571,17.024 75.071,19.524 76.685,19.524 77.114,19.095 77.114,15.875 72.776,11.537 72.776,5.234 70.717,3.175 68.574,3.175 68.174,2.775 68.174,0.003 67.671,-0.5 0.804,-0.5 -0.279,0.583 -0.279,5.258 0.051,5.588 2.306,5.588 2.58,5.313 2.58,1.79 3.281,1.09 11.078,1.09 12.166,2.178
+12V on Top Layer "NONET_L-01_P-001" (solid, remove dead copper, pour order 89): 17.762,5.467 18.268,5.972 19.463,7.168 29.243,7.168 30.513,7.168 30.919,7.575 30.919,8.845 31.199,9.124 32.697,9.124 33.167,8.654 33.167,3.189 32.729,2.751 11.309,2.751 10.068,1.51 4.922,1.51 4.47,1.961 4.47,4.975 4.963,5.467 11.316,5.467
+5V on Top Layer "NONET_L-01_P-001" (solid, remove dead copper, pour order 58): 44.628,10.566 44.628,12.294 44.329,12.592 39.853,12.592 39.522,12.262 39.522,10.547 39.795,10.275 44.337,10.275
DC12V on Top Layer "NONET_L-01_P-001" (solid, remove dead copper, pour order 60): 37.222,10.517 37.222,12.231 36.875,12.578 30.881,12.578 30.551,12.248 30.551,10.534 30.823,10.262 36.967,10.262
NetIC1_4 on Top Layer "NONET_L-01_P-001" (solid, remove dead copper, pour order 93): 15.429,12.501 15.793,12.865 15.793,14.194 15.514,14.472 7.254,14.472 7.091,14.309 7.091,12.702 7.292,12.501
GNDI on Top Layer "Top Layer-No Net" (solid, remove dead copper, pour order 86): 10.285,35.183 10.037,34.935 10.037,32.606 9.417,31.986 6.459,31.986 5.841,31.368 5.841,28.568 6.339,28.07 11.056,28.07 11.501,28.515 11.501,31.365 12.123,31.987 12.124,34.995 11.935,35.183
MOTOR_A on Top Layer "Top Layer-No Net" (solid, remove dead copper, pour order 72): 78.908,35.348 78.727,35.167 78.727,32.434 78.628,32.335 75.472,32.335 74.761,33.046 74.761,35.435 74.356,35.84 70.33,35.84 69.838,35.348 69.838,30.809 71.86,28.787 79.189,28.786 81.039,30.636 81.039,35.132 80.823,35.348
MOTOR_B on Top Layer "Top Layer-No Net" (solid, remove dead copper, pour order 70): 55.973,35.348 55.793,35.167 55.793,32.434 55.693,32.335 52.538,32.335 51.826,33.046 51.826,35.435 51.422,35.84 47.396,35.84 46.904,35.348 46.904,30.78 48.897,28.787 56.383,28.786 58.105,30.508 58.105,35.132 57.888,35.348
MOTOR_C on Top Layer "Top Layer-No Net" (solid, remove dead copper, pour order 67): 33.038,35.348 32.858,35.167 32.858,32.434 32.758,32.335 29.603,32.335 28.891,33.046 28.891,35.435 28.487,35.84 24.461,35.84 23.969,35.348 23.969,30.703 25.885,28.787 33.32,28.786 35.17,30.636 35.17,35.132 34.954,35.348
NetC8_2 on Top Layer "NONET_L-01_P-001" (solid, remove dead copper, pour order 90): 0.523,10.515 3.683,10.515 3.886,10.719 3.886,14.461 3.585,14.762 0.397,14.762 0.264,14.63 0.264,10.661 0.414,10.512
NetC8_1 on Top Layer "Top Layer-No Net" (solid, remove dead copper, pour order 87): 4.976,14.455 4.697,14.455 4.526,14.284 4.526,10.177 3.695,9.346 0.735,9.346 0.453,9.064 0.453,7.082 0.678,6.857 17.606,6.857 17.805,7.056 17.805,11.049 17.654,11.2 5.725,11.2 5.126,11.8 5.126,14.305
IN on Top Layer "Top Layer-No Net" (solid, remove dead copper, pour order 88): 5.028,21.412 2.362,21.412 2.153,21.203 2.153,18.04 2.371,17.822 3.752,17.822 9.127,17.822 13.888,17.822 14.427,18.36 14.427,20.831 13.845,21.412
DCIN on Top Layer "Top Layer-No Net" (solid, remove dead copper, pour order 85): 11.189,39.004 11.61,38.583 11.608,38.58 11.608,37.033 11.172,36.598 8.34,36.598 0.601,36.598 0.22,36.979 0.22,38.518 0.706,39.004
ISENCE on Top Layer "Top Layer-No Net" (solid, remove dead copper, pour order 84): 35.607,34.905 35.607,30.639 36.24,30.006 37.6,30.006 38.591,30.997 38.591,34.321 37.833,35.079 35.782,35.079
IB on Top Layer "Top Layer-No Net" (solid, remove dead copper, pour order 83): 58.496,31.054 58.91,30.639 61.969,30.639 62.936,29.672 63.937,29.672 64.272,30.006 64.271,32.069 62.874,33.466 62.874,34.989 62.566,35.297 58.74,35.297 58.496,35.053
ISENCE on Top Layer "Top Layer-No Net" (solid, remove dead copper, pour order 82): 60.239,26.55 60.179,26.61 58.281,26.61 57.785,26.115 57.785,23.417 58.069,23.134 60.96,23.134 62.668,24.842 62.668,26.121 62.239,26.55
ISENCE on Top Layer "Top Layer-No Net" (solid, remove dead copper, pour order 80): 18.059,31.242 17.768,30.951 17.768,25.131 18.089,24.81 20.391,24.81 20.659,25.079 20.659,30.917 20.335,31.242
IA on Top Layer "Top Layer-No Net" (solid, remove dead copper, pour order 78): 83.329,35.348 83.656,35.021 83.656,33.121 84.383,32.394 85.324,32.394 85.584,32.134 85.584,30.266 85.382,30.064 82.149,30.064 81.381,30.832 81.381,35.021 81.708,35.348
ISENCE on Top Layer "Top Layer-No Net" (solid, remove dead copper, pour order 76): 81.708,26.069 77.072,26.069 76.83,25.827 76.83,23.303 77.05,23.083 84.337,23.083 85.687,24.432 85.687,26.069
DCIN on Top Layer "Top Layer-No Net" (solid, remove dead copper, pour order 74): 55.005,28.125 56.167,26.963 56.167,22.57 56.816,21.945 57.778,20.983 61.304,20.983 64.788,24.467 64.788,32.031 65.142,32.385 67.119,32.385 67.31,32.576 67.31,34.871 67.606,35.167 69.14,35.167 69.433,34.874 69.433,23.891 63.083,17.542 53.163,17.542 46.924,23.781 33.459,23.781 32.744,23.066 32.744,18.83 31.948,18.034 24.783,18.034 21.411,21.406 21.412,35.594 21.658,35.84 23.343,35.84 23.554,35.629 23.554,30.293 25.722,28.125 33.799,28.125 35.17,29.589 37.897,29.589 40.439,32.131 44.069,32.131 44.323,32.385 44.323,35.052 44.587,35.316 46.146,35.316 46.425,35.037 46.425,30.216 48.517,28.125
GND on Bottom Layer "NONET_L-01_P-001" (solid, remove dead copper, pour order 81): 33.491,5.865 33.491,11.128 34.858,12.494 40.281,12.494 53.13,12.494 53.139,12.486 59.535,12.486 67.077,20.028 76.756,20.028 77.301,19.483 77.301,4.264 75.99,2.953 75.971,2.921 52.577,2.921 52.45,2.794 52.45,0.575 51.375,-0.5 0.804,-0.5 -0.279,0.583 -0.279,32.087 0.308,32.675 4.688,32.675 4.942,32.421 4.942,28.563 6.04,27.465 11.806,27.465 12.531,28.19 12.531,34.81 13.056,35.335 16.473,35.335 16.959,34.848 16.959,21.795 20.932,17.822 32.823,17.822 33.491,18.49 33.491,21.821 34.319,22.648 47.602,22.648 48.256,21.994 48.256,16.785 46.792,15.321 35.792,15.321 30.607,10.136 30.607,5.842 31.057,5.392 33.019,5.392
+12V on Bottom Layer "Top Layer-No Net" (solid, remove dead copper, pour order 57): 14.033,2.716 14.26,2.489 29.174,2.489 29.54,2.855 29.54,4.521 29.12,4.941 14.451,4.941 14.033,4.523
IN on Bottom Layer "Top Layer-No Net" (solid, remove dead copper, pour order 75): 11.785,20.955 11.366,20.537 11.366,18.73 11.848,18.249 14.316,18.249 14.695,18.629 14.695,20.562 14.302,20.955
IA on Bottom Layer "Top Layer-No Net" (solid, remove dead copper, pour order 69): 81.708,35.348 81.381,35.021 81.381,29.742 81.936,29.187 83.636,29.187 84.172,29.723 84.172,33.962 82.787,35.348
ISENCE on Bottom Layer "Top Layer-No Net" (solid, remove dead copper, pour order 63): 83.606,23.082 84.172,23.648 84.172,27.26 83.493,27.94 79.865,27.94 40.132,27.94 39.118,28.954 39.118,34.774 38.813,35.079 35.782,35.079 35.556,34.854 35.556,29.951 33.799,28.194 25.485,28.194 22.44,31.239 18.236,31.239 17.527,30.53 17.527,25.363 19.706,23.184
NetD5_1 on Bottom Layer "Top Layer-No Net" (solid, remove dead copper, pour order 73): 86.045,17.385 86.97,17.385 87.249,17.106 87.249,5.653 86.739,5.143 85.427,5.143 84.939,5.631 84.939,17.065 85.256,17.383
MOTOR_B on Bottom Layer "Top Layer-No Net" (solid, remove dead copper, pour order 62): 55.973,35.348 55.793,35.167 55.793,32.434 55.693,32.335 52.538,32.335 51.826,33.046 51.826,35.435 51.422,35.84 47.396,35.84 46.904,35.348 46.904,29.229 47.685,28.447 57.26,28.447 58.105,29.292 58.105,35.132 57.888,35.348
MOTOR_C on Bottom Layer "Top Layer-No Net" (solid, remove dead copper, pour order 61): 33.038,35.348 32.858,35.167 32.858,32.434 32.758,32.335 29.603,32.335 28.891,33.046 28.891,35.435 28.487,35.84 24.461,35.84 23.969,35.348 23.969,30.703 25.885,28.787 33.549,28.786 34.924,30.162 34.924,35.081 34.657,35.348
MOTOR_A on Bottom Layer "Top Layer-No Net" (solid, remove dead copper, pour order 59): 78.908,35.348 78.727,35.167 78.727,32.434 78.628,32.335 75.472,32.335 74.761,33.046 74.761,35.155 74.481,35.435 70.091,35.435 69.838,35.182 69.838,29.57 70.621,28.786 80.239,28.786 81.039,29.587 81.039,35.132 80.823,35.348
DCIN on Bottom Layer "Top Layer-No Net" (solid, remove dead copper, pour order 77): 28.902,22.399 28.571,22.068 28.571,20.334 28.926,19.979 32.041,19.979 32.258,20.196 32.258,22.153 32.011,22.399
DCIN on Bottom Layer "Top Layer-No Net" (solid, remove dead copper, pour order 79): 49.831,22.448 49.5,22.117 49.5,20.383 49.855,20.028 52.99,20.028 53.397,20.436 53.397,21.97 52.919,22.448
IB on Bottom Layer "Top Layer-No Net" (solid, remove dead copper, pour order 71): 59.446,35.308 58.752,35.308 58.49,35.047 58.49,29.298 59.341,28.447 62.092,28.447 62.874,29.229 62.874,34.989 62.566,35.297
GNDI on Bottom Layer "Top Layer-No Net" (solid, remove dead copper, pour order 68): 11.501,35.167 11.489,35.179 10.281,35.179 10.037,34.935 10.037,32.606 9.417,31.986 8.497,31.986 6.46,31.987 5.841,31.368 5.841,28.568 6.339,28.07 11.603,28.07 12.037,28.504 12.037,34.865 11.735,35.167
DCIN on Bottom Layer "Top Layer-No Net" (solid, remove dead copper, pour order 66): 21.412,33.076 21.828,32.659 23.252,32.659 23.554,32.961 23.554,36.872 21.31,39.116 0.818,39.116 0.22,38.518 0.22,36.406 0.787,35.84 20.964,35.84 21.411,35.393
DCIN on Bottom Layer "Top Layer-No Net" (solid, remove dead copper, pour order 65): 68.834,35.167 68.817,35.167 67.606,35.167 67.31,34.871 67.31,32.576 67.119,32.385 65.142,32.385 64.788,32.031 64.788,29.44 65.469,28.759 68.681,28.759 69.433,29.51 69.433,34.874 69.14,35.167 68.625,35.167
DCIN on Bottom Layer "Top Layer-No Net" (solid, remove dead copper, pour order 64): 46.114,35.348 44.619,35.348 44.323,35.052 44.323,32.385 44.069,32.131 40.116,32.131 39.625,31.64 39.625,29.18 40.358,28.447 45.716,28.447 46.439,29.171 46.425,29.184 46.425,35.037

## Keep-outs
Keep-Out Layer:
  the board outline again, w0.254

## Other copper
Top Layer:
  pour cut-out: 59.131,3.886 59.766,3.886 59.838,3.815 59.838,3.196 59.766,3.124 59.106,3.124 59.038,3.192 59.038,3.793
  pour cut-out: 72.847,15.875 73.482,15.875 73.554,15.803 73.554,15.185 73.482,15.113 72.822,15.113 72.754,15.181 72.754,15.781
  pour cut-out: 59.182,9.906 59.817,9.906 59.889,9.834 59.889,9.216 59.817,9.144 59.157,9.144 59.088,9.212 59.088,9.812
  pour cut-out: 56.058,6.756 56.693,6.756 56.764,6.685 56.764,6.066 56.693,5.994 56.032,5.994 55.964,6.063 55.964,6.663
  pour cut-out: 52.857,6.756 53.492,6.756 53.564,6.685 53.564,6.066 53.492,5.994 52.832,5.994 52.764,6.063 52.764,6.663
  pour cut-out: 45.86,7.518 46.495,7.518 46.566,7.447 46.566,6.828 46.495,6.756 45.834,6.756 45.766,6.825 45.766,7.425
Bottom Layer:
  pour cut-out: 46.355,9.195 46.431,9.271 47.143,9.271 47.177,9.237 47.177,9.18 47.118,9.121 46.429,9.121

## Silkscreen, mask and mechanical layers (free items; w line width, h text height)
Top Overlay:
  lines w0.1: 54.595,8.84 54.723,8.712 57.448,8.712 57.682,8.947 57.861,9.126 57.861,1.006 58.029,0.838 60.884,0.838 61.062,1.016 61.062,10.211 60.909,10.363 57.86,10.363 57.682,10.541 57.682,16.184 57.381,16.485 54.809,16.485 54.595,16.271 54.595,8.84
  text "GND" at 35.437,2.994 h1 r90
  text "PWM" at 37.96,2.994 h1 r90
  text "RX" at 40.5,2.994 h1 r90
  text "TX" at 43.04,2.994 h1 r90
  text "+5V" at 45.58,2.994 h1 r90
  text "+5V" at 48.61,2.994 h1 r90
  text "GND" at 50.923,2.994 h1 r90
  text "CLK" at 53.586,2.994 h1 r90
  text "DIO" at 56.408,2.994 h1 r90
Bottom Overlay:
  text "水泵-LCP037BK32ET8-48V-PCB-V1.2-20230321" at 64.113,3.574 h1.78
Top Solder:
  region: 58.053,24.635 57.87,24.452 57.87,23.864 58.37,23.365 60.838,23.365 61.567,24.094 61.615,24.094 61.615,24.48 61.46,24.635
  region: 81.788,25.908 80.982,25.102 77.241,25.102 76.972,24.833 76.972,23.611 77.39,23.193 81.617,23.193 82.087,23.663 82.087,25.945 81.844,25.945
  region: 18.336,27.534 18.086,27.284 18.086,25.316 18.535,24.867 20.091,24.867 20.592,25.367 20.592,27.287 20.345,27.534
  region: 37.592,35.052 36.214,35.052 35.782,34.62 35.782,32.573 36.02,32.335 38.266,32.335 38.591,32.659 38.591,34.222 37.833,34.98 37.833,35.079
  region: 61.666,35.087 59.22,35.087 58.793,34.66 58.793,33.195 59.053,32.935 62.218,32.935 62.587,33.303 62.587,34.869 62.369,35.087
  region: 80.66,35.215 79.103,35.215 78.817,34.929 78.817,32.629 78.841,32.606 78.31,32.075 75.361,32.075 74.761,32.675 74.761,35.211 74.335,35.638 70.484,35.638 70.084,35.237 70.084,30.727 71.907,28.904 78.97,28.904 80.931,30.865 80.931,34.944 80.794,35.081
  region: 57.726,35.215 56.169,35.215 55.883,34.929 55.883,32.629 55.906,32.606 55.376,32.075 52.426,32.075 51.826,32.675 51.826,35.211 51.4,35.638 47.55,35.638 47.154,35.242 47.154,30.723 48.973,28.904 56.035,28.904 57.996,30.865 57.996,34.944 57.859,35.081
  region: 34.791,35.215 33.234,35.215 32.948,34.929 32.948,32.629 32.971,32.606 32.441,32.075 29.491,32.075 28.891,32.675 28.891,35.211 28.465,35.638 24.615,35.638 24.044,35.067 24.044,30.898 26.038,28.904 33.1,28.904 35.062,30.865 35.062,34.944 34.924,35.081
  region: 22.962,35.638 22.528,35.638 21.822,35.638 21.535,35.35 21.535,21.519 24.765,18.288 31.99,18.288 32.532,18.83 32.532,22.998 33.482,23.948 46.802,23.948 53.092,17.658 62.937,17.658 69.286,24.007 69.286,34.764 68.998,35.052 67.704,35.052 67.374,34.722 67.374,29.735 64.972,27.333 64.972,24.331 61.411,20.77 57.679,20.77 55.859,22.59 55.859,26.848 54.767,27.94 48.551,27.94 46.302,30.188 46.302,34.827 45.962,35.167 44.701,35.167 44.405,34.871 44.405,32.217 44.214,32.026 42.055,32.026 37.788,27.759 33.718,27.759 25.542,27.759 23.252,30.049 23.252,35.265
Bottom Solder:
  drawing of 51 lines, arcs and shapes, not listed
Mechanical 1:
  the board outline again, w0.254
Mechanical 15:
  lines w3.2: 22.504,0.425 22.504,38.235 ; 68.374,0.425 68.374,38.235